# Altium PCB Antenna_base_v5.PcbDoc (part 2 of 2)
Units mil, origin at the board's own origin, x right, y up, seen from the top; angles counter-clockwise.
Board outline 2245 x 3255 mil, 4 copper layers (Top Layer, Layer 1, Layer 2, Bottom Layer), stack 23.756 mil thick; 155 components, 149 nets, 548 pads, 108 vias.
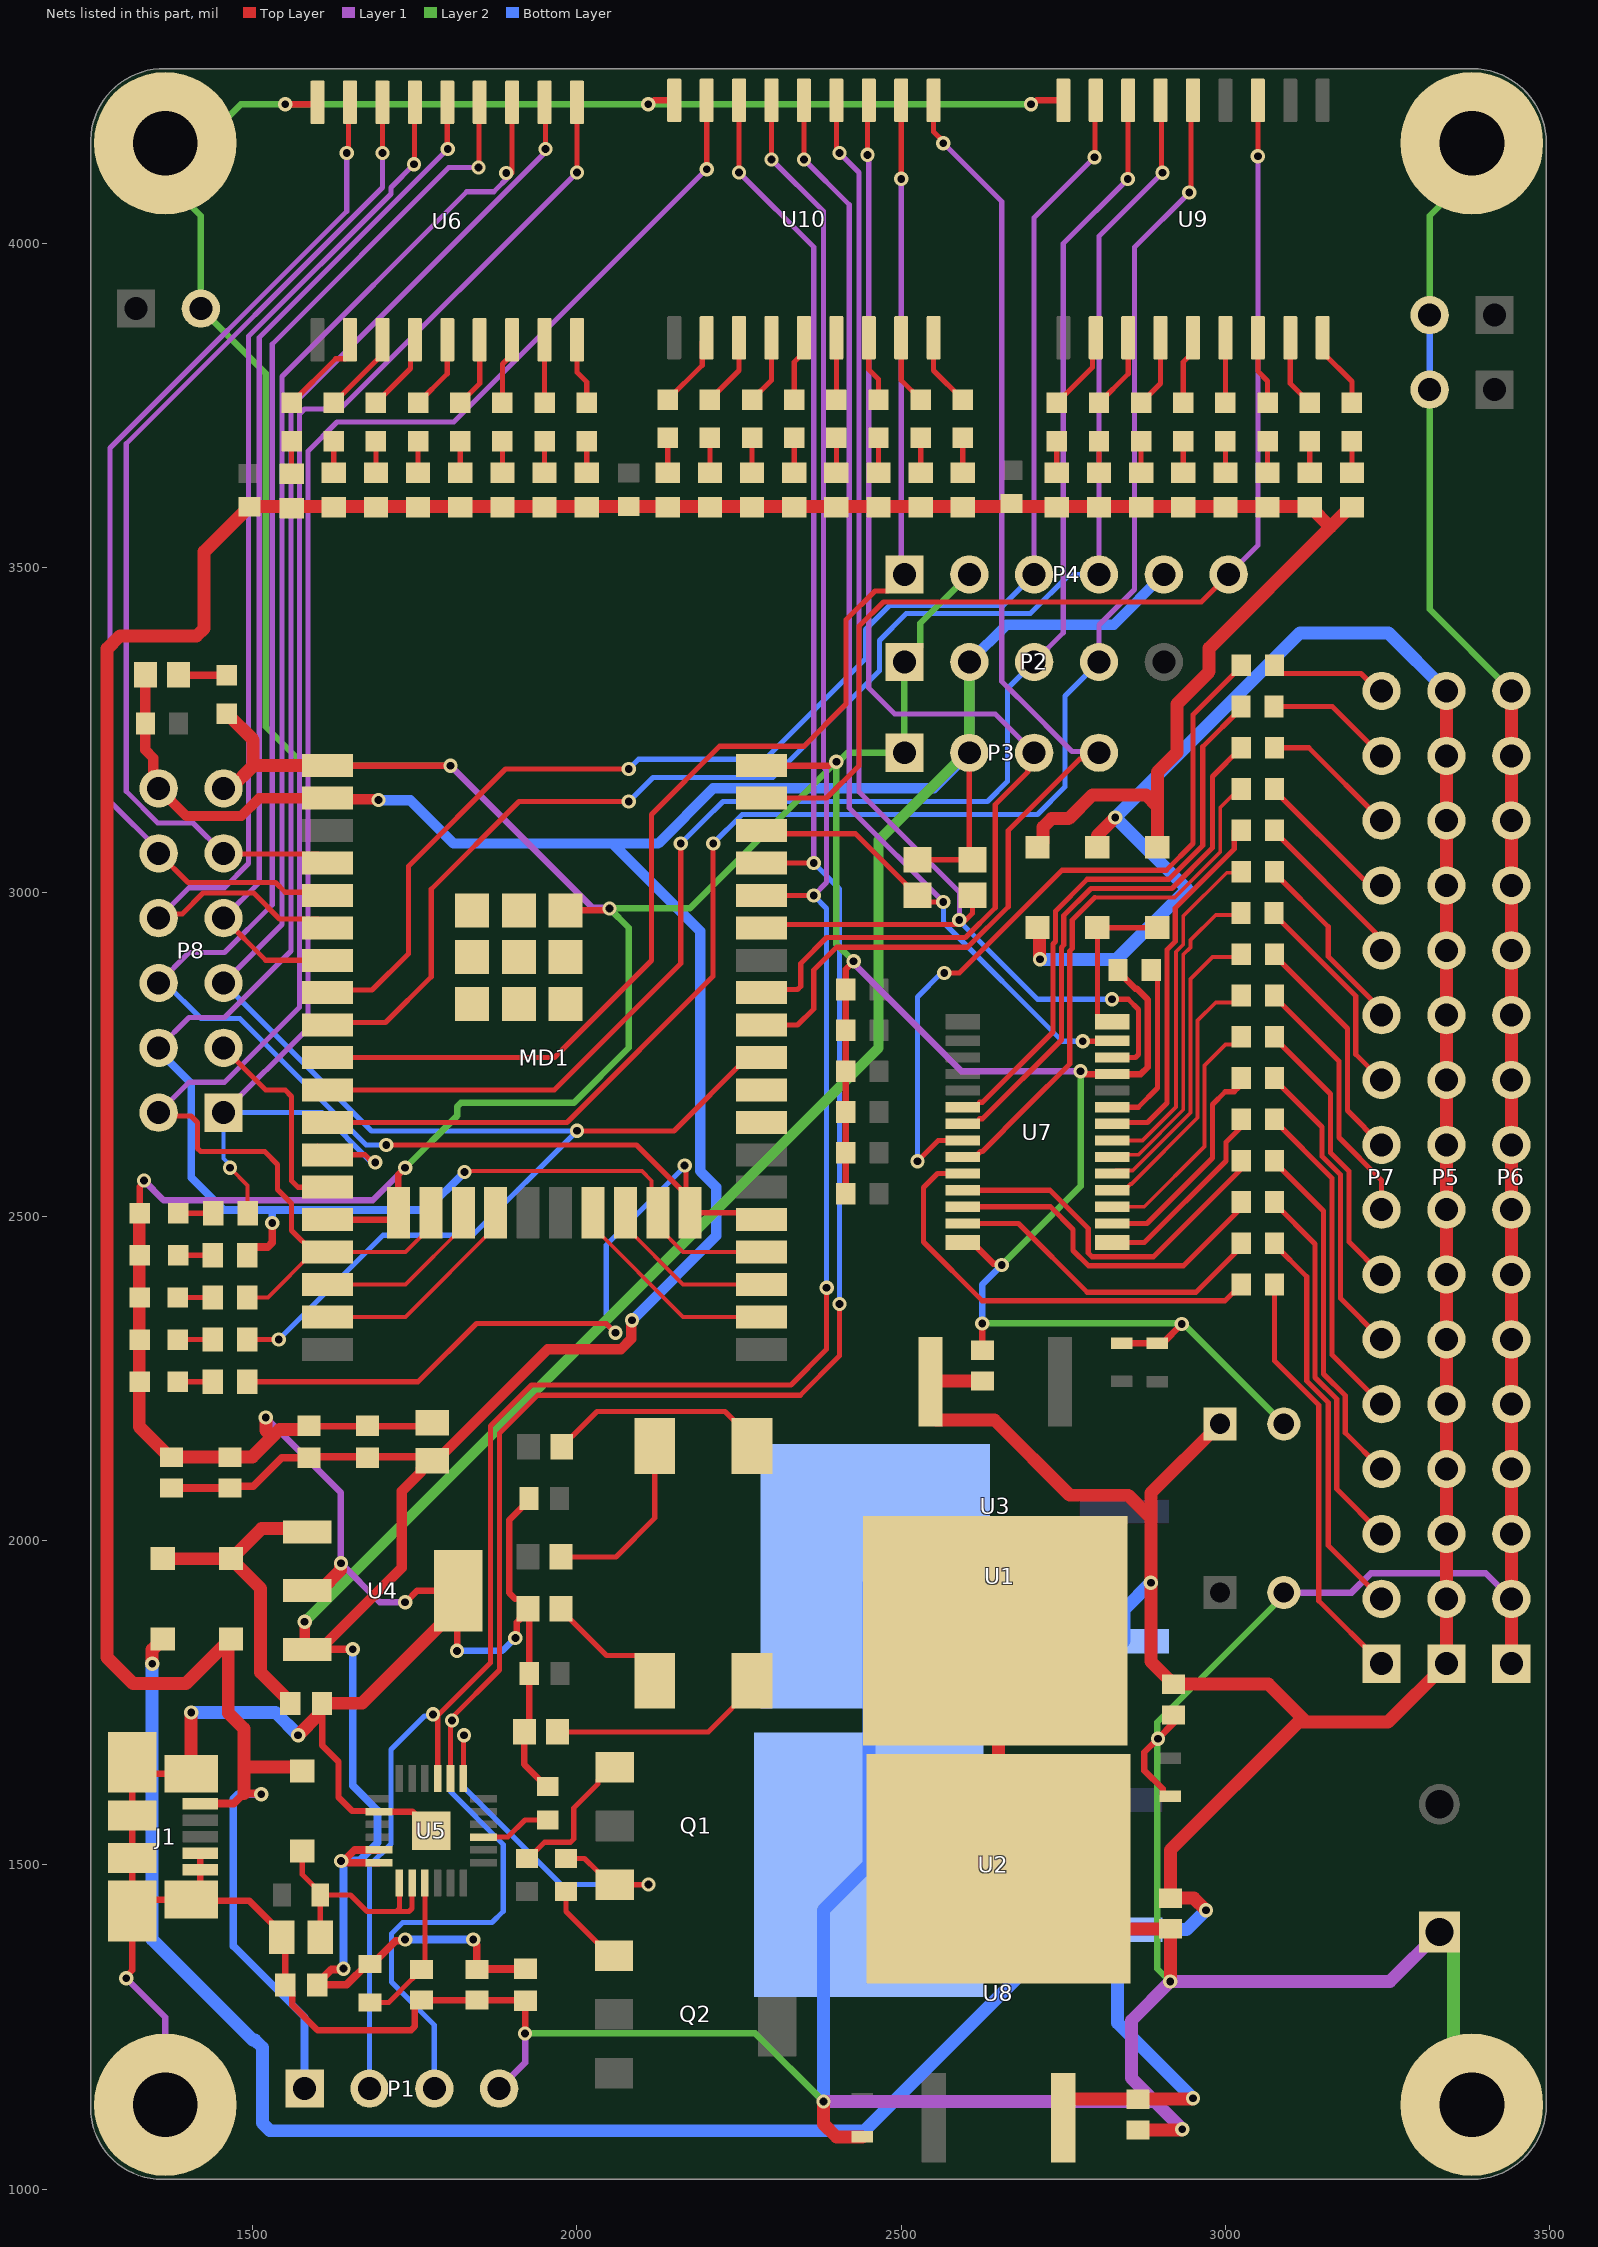
[diagram p4: the nets of this part, all layers, seen from the top]

## Via types
v1: diameter 22, hole 12, Top Layer to Bottom Layer, 108 vias

## Nets (pads, with @x,y where several pads share a name; then routed paths per layer and width w, separated by ;. In a path a pad name is that pad's centre, name@x,y a point inside that pad or via, vN(x,y) a via of type N, cw(c..) or ccw(c..) an arc to the next point about the centre after c; other vN are vias at no path point) (continued)
GND: C1.2 C2.1 C3.2 C4.1 C5.2 C6.1 C7.1 C8.1 C9.2 C10.2 C11.1 C12.2 C13.2 C14.2 C15.2 C18.2 C19.1 C22.1 C23.1 C24.1 C25.2 C26.2 C29.1 D4.1 D8.1 D9.1 D10.1 D11.1 D12.1 J1.4 J1.5 J1.6 J1.7 J1.8 J1.9 J1.10 J1.11 J5.1 MD1.1 MD1.15 MD1.38 MD1.39 P1.4 P2.1 P3.1 P4.2 P6.1 P6.2 P6.3 P6.4 P6.5 P6.6 P6.7 P6.8 P6.9 P6.10 P6.11 P6.12 P6.13 P6.14 P6.15 P6.16 P8.11 P9.2 P10.2 P11.2 pad.C1 pad.C2 pad.C3 pad.C4 R10.1 R11.1 R24.2 R28.1 R29.1 R30.1 R31.1 R32.1 R33.1 R45.2 U1.4 U2.4 U3.4 U4.2 U4.4 U5.2 U5.25 U6.9 U7.14 U7.25 U8.4 U9.9 U10.9 | length 20756.1
  Top Layer w10: v1(1305,1325) 1305,1328.25 1314.37,1337.62 J1.11@1314.37,1428.76 ; D11.1@1325.94,2505 1325.94,2545.95 1332.15,2552.16 v1(1332.15,2555.4) ; J1.6@1404.92,1640.37 1332.09,1640.37 J1.8@1314.37,1658.09 J1.9@1314.37,1576.4 J1.10@1314.37,1510.45 J1.11@1314.37,1428.76 ; J1.4@1419.09,1517.83 J1.5@1419.09,1492.24 1419.09,1460.65 J1.7@1404.92,1446.48 ; v1(1550,4215) 1596.93,4215 U6.9@1600,4218.07 ; C22.1@1586.73,2176.73 1771.42,2176.73 C24.1@1776.73,2182.05 ; MD1.1@1600,3195 MD1.1@1615,3195 v1(1805,3195) ; C8.1@1606.85,1749.21 1606.85,1684.61 1632.24,1659.21 1632.24,1604.21 1653.39,1583.07 1693.66,1583.07 U5.2@1694.57,1582.17 1745.81,1582.17 U5.25@1775.34,1552.64 ; MD1.15@1615,2495 1714.02,2495 MD1.15@1724.65,2505.63 1724.65,2564.65 v1(1735,2575) ; v1(1735,1905) 1735.86,1905 1753.82,1922.95 U4.4@1816.61,1922.95 1815,1921.34 1815,1895.75 v1(1815,1830) ; v1(1905,1850) 1907.3,1852.3 1907.3,1873.95 1911.69,1878.35 1911.69,1880.31 1924.41,1893.03 1926.38,1893.03 C12.2@1926.38,1795 1926.38,1712.56 R11.1@1918.82,1705 1918.82,1654.8 1953.03,1620.59 R45.2@1955,1620.59 ; 1905,1910 1895.69,1919.31 1895.69,2031.83 1925.94,2062.09 C13.2@1925.94,2065.04 ; v1(1920,1240) 1920,1291.06 1919.49,1291.57 C10.2@1845.47,1291.57 C9.2@1760.47,1291.57 1759.76,1291.57 1750,1281.81 1750,1250.86 1744.14,1245 1600,1245 1561.14,1283.86 1561.14,1304.25 C7.1@1550.39,1315 1550.39,1383.07 C29.1@1545.04,1388.43 1545.04,1394.33 1494.37,1445 1406.4,1445 J1.7@1404.92,1446.48 ; MD1.39@1982.52,2971.97 2046.97,2971.97 v1(2050,2975) ; v1(2110,4215) 2113.25,4215 2119.39,4221.14 U10.9@2150,4221.14 ; MD1.38@2284.29,3195 2388.63,3195 ; R33.1@2414.41,2535 R32.1@2414.41,2598 R31.1@2414.41,2661 R30.1@2414.41,2724 R29.1@2414.41,2787 R28.1@2414.41,2850 2414.41,2881.13 v1@2425.07,2891.79 ; U7.14@2594.84,2459.72 2609.61,2459.72 2642.03,2427.3 2652.7,2427.3 v1(2655,2425) ; C5.2@2625,2293.62 v1(2625,2335) ; v1(2700,4215) 2703.25,4215 2709.39,4221.14 U9.9@2750,4221.14 ; v1(2776.55,2723.95) 2779.79,2723.95 2784.18,2719.57 U7.25@2825.16,2719.57 2869.57,2719.57 2880,2730 2880,2834.41 2863.07,2851.34 2861.1,2851.34 2834.41,2878.03 R24.2@2834.41,2880 ; C6.1@2840,2304.53 2840.24,2304.29 2902.68,2304.29 2902.91,2304.06 v1(2932.77,2333.91) ; C4.1@2915,1605.47 2907.13,1605.47 2903.27,1609.33 2903.27,1617.2 2875,1645.47 2875,1673.61 v1(2895.85,1694.45) 2920,1718.61 C1.2@2920,1731.38 ; J1.11@1314.37,1428.76 1332.09,1446.48 J1.7@1404.92,1446.48
  Top Layer w20: D11.1@1325.94,2505 1325,2504.06 1325,2175.67 1372.05,2128.62 C25.2@1375,2128.62 C26.2@1465,2128.62 1465.64,2129.26 1499.26,2129.26 1530,2160 ; J1.6@1404.92,1640.37 1405,1640.45 v1(1405,1735) ; P8.11@1455,3160 1465.57,3160 1500.57,3195 ; D8.1@1460,3275.47 1500.57,3234.9 1500.57,3195 ; v1(1520,2190) 1520.38,2189.62 1520.38,2169.62 1530,2160 ; v1(1570,1700) 1601.1,1731.1 ; U4.2@1584.33,1922.95 1604.02,1922.95 1635.65,1954.58 1635.65,1964.59 v1(1636.03,1964.97) ; C22.1@1586.73,2177.13 1580.98,2171.38 1541.38,2171.38 1530,2160 ; MD1.1@1600,3195 1500.57,3195 ; C8.1@1606.85,1749.21 1668.46,1749.21 U4.4@1815,1895.75 ; v1(2380,1135) 2380,1100.74 2400.27,1080.47 C19.1@2440,1080.47 ; U3.4@2645,1861.14 2650,1856.14 U8.4@2650,1493.86 2742.48,1401.38 C3.2@2915,1401.38 v1(2915,1320) ; C18.2@2865,1091.38 2932.49,1091.38 v1(2933.55,1092.43) ; P6.1@3440.79,1810.35 P6.2@3440.79,1910.35 P6.3@3440.79,2010.35 P6.4@3440.79,2110.35 P6.5@3440.79,2210.35 P6.6@3440.79,2310.35 P6.7@3440.79,2410.35 P6.8@3440.79,2510.35 P6.9@3440.79,2610.35 P6.10@3440.79,2710.35 P6.11@3440.79,2810.35 P6.12@3440.79,2910.35 P6.13@3440.79,3010.35 P6.14@3440.79,3110.35 P6.15@3440.79,3210.35 P6.16@3440.79,3310.35
  Layer 1 w10: v1(1305,1325) 1365,1265 pad.C3@1365,1130 ; v1(1332.15,2555.4) 1362.55,2525 1685,2525 v1(1735,2575) ; v1(1520,2190) 1636.03,2073.97 v1(1636.03,1964.97) 1696,1905 v1(1735,1905) ; v1(1805,3195) 2024,2976 2049,2976 v1(2050,2975) ; P1.4@1880,1155 1920,1195 v1(1920,1240) ; v1@2425.03,2891.83 2592.91,2723.95 v1(2776.55,2723.95) ; C15.2@3090,1920 3194.53,1920 3224.41,1949.88 3401.26,1949.88 P6.2@3440.79,1910.35
  Layer 1 w20: v1(2380,1135) 2890.98,1135 v1@2925.98,1100 ; v1(2933.55,1092.43) v1@2925.98,1100 ; J5.1@3330,1396.57 3253.43,1320 v1(2915,1320) 2855,1260 2855,1170.98 v1@2925.98,1100
  Layer 2 w10: v1(1735,2575) 1815,2655 1815,2669.14 1820.86,2675 1995,2675 2080,2760 2080,2945 v1(2050,2975) 2173.89,2975 v1(2400,3201.11) ; v1(1805,3195) 1580,3195 1520,3255 1520,3800 P9.2@1420,3900 1420,4043.17 1365,4098.17 pad.C1@1365,4155 1421.83,4155 1481.83,4215 v1(1550,4215) v1(2110,4215) v1(2700,4215) ; v1(1920,1240) 2275,1240 v1(2380,1135) ; v1@2425.03,2891.83 2425.11,2891.83 v1(2426.64,2893.36) 2400,2920 v1(2400,3201.11) ; P4.2@2605,3490 2529.53,3414.53 2529.53,3379.53 P2.1@2505,3355 P3.1@2505,3215 2417.14,3215 2403.25,3201.11 v1(2400,3201.11) ; v1(2625,2335) v1@2932.77,2335 ; v1(2655,2425) 2776.55,2546.55 v1(2776.55,2723.95) ; v1(2915,1320) 2895,1340 2895,1720 3090,1915 C15.2@3090,1920 ; v1@2935,2335 C14.2@3090,2180 ; P11.2@3315,3775 3315,3436.14 P6.16@3440.79,3310.35 ; P10.2@3315,3890 3315,4043.22 3380,4108.22 pad.C2@3380,4155
  Layer 2 w20: J5.1@3330,1396.57 3351.5,1375.08 3351.5,1158.5 pad.C4@3380,1130
  Bottom Layer w10: v1(1815,1830) 1885,1830 v1(1905,1850) ; v1(2625,2335) 2625,2395 v1(2655,2425) ; P11.2@3315,3775 P10.2@3315,3890
  Bottom Layer w20: v1(1405,1735) 1535,1735 v1(1570,1700) ; v1(2380,1135) 2380,1430 U2.4@2450,1500 2450,1935 U1.4@2460,1945
I2C_SCL: MD1.11 P2.3 U9.7 | length 2481.7
  Top Layer w8: MD1.11@1615,2695 1965,2695 2160,2890 v1(2160,3075) ; v1(2849.52,4099.62) 2849.76,4099.86 2849.76,4220.9 U9.7@2850,4221.14
  Layer 1 w8: P2.3@2705,3355 2750,3400 2750,4000.1 v1(2849.52,4099.62)
  Bottom Layer w8: v1(2160,3075) 2193.84,3108.84 2225,3140 2632.88,3140 2664.05,3171.18 2664.05,3314.05 P2.3@2705,3355
I2C_SCL2: MD1.33 R23.1 U7.26 U10.4 | length 2159
  Top Layer w8: MD1.33@2284.29,2945 2289.29,2950 v1@2589.6,2950 ; U10.4@2400,4221.14 2400,4148.79 2405,4143.79 v1(2405,4140) ; v1(2589.6,2957) v1@2589.6,2950 ; R23.1@2610,2995 2610,2967.5 2592.5,2950 v1@2589.6,2950 ; v1(2825,2835) 2850,2835 2866,2819 2866,2749.84 2861.31,2745.16 U7.26@2825.16,2745.16
  Layer 1 w8: v1(2405,4140) 2435,4110 2435,3155 2590,3000 2590,2957.4 v1(2589.6,2957)
  Bottom Layer w8: v1(2589.6,2957) 2589.6,2955.4 2710,2835 v1(2825,2835)
I2C_SCL3: MD1.37 P4.6 U9.3 | length 1739.3
  Top Layer w8: MD1.37@2284.29,3145 2385,3145 2435,3195 2435,3410 2472.62,3447.62 2962.62,3447.62 P4.6@3005,3490 ; v1(3050,4135) U9.3@3050,4221.14
  Layer 1 w8: P4.6@3005,3490 3050,3535 v1(3050,4135)
I2C_SCL4: MD1.31 P3.3 U10.3 | length 1884.8
  Top Layer w8: MD1.31@2305.94,2845 2310.94,2850 2340,2850 2345,2855 2345,2890 2385,2930 2599.07,2930 2645,2975.93 2645,3135 2695.23,3185.23 2695.23,3205.23 P3.3@2705,3215 ; v1(2447.99,4137.01) 2447.99,4219.13 U10.3@2450,4221.14
  Layer 1 w8: v1(2447.99,4137.01) 2450,4135 2450,3315 2490,3275 2645,3275 P3.3@2705,3215
  Bottom Layer w8: P3.3@2705,3212.12 P3.3@2705,3215
I2C_SDA: MD1.12 P2.4 U9.5 | length 2612.3
  Top Layer w8: MD1.12@1615,2645 1984.78,2645 2210,2870.22 v1(2210,3075) ; v1(2944.36,4078.88) 2947.04,4081.56 2947.04,4218.18 U9.5@2950,4221.14
  Layer 1 w8: P2.4@2805,3355 2805,3411.91 2860,3466.91 2860,3994.51 v1(2944.36,4078.88)
  Bottom Layer w8: v1(2210,3075) 2255,3120 2710,3120 2752.62,3162.62 2752.62,3302.62 P2.4@2805,3355
I2C_SDA2: MD1.36 R22.1 U7.27 U10.5 | length 2020.5
  Top Layer w8: MD1.36@2284.29,3095 2289.29,3090 2429.64,3090 2507.35,3012.29 2507.35,3010.69 2533.03,2985 v1(2565,2985) ; v1(2350,4130) U10.5@2350,4221.14 ; v1(2780,2770) 2824.41,2770 U7.27@2825.16,2770.75
  Layer 1 w8: v1(2350,4130) 2420,4060 2420,3130 v1(2565,2985)
  Bottom Layer w8: v1(2565,2985) 2565,2953.32 2748.32,2770 v1(2780,2770)
I2C_SDA3: MD1.10 P4.1 U10.2 | length 2139.8
  Top Layer w8: MD1.10@1615,2745 1965.13,2745 2115,2894.87 2115,3120 2220,3225 2350,3225 2415,3290 2415,3420 2459.47,3464.47 2479.47,3464.47 P4.1@2505,3490 ; v1(2500,4100) U10.2@2500,4221.14
  Layer 1 w8: v1(2500,4100) 2500,3495 P4.1@2505,3490
I2C_SDA4: MD1.30 P3.4 U10.1 | length 1912.2
  Top Layer w8: MD1.30@2305.94,2795 2340,2795 2365,2820 2365,2880 2400,2915 2602.45,2915 2665,2977.55 2665,3095 2775.23,3205.23 2795.23,3205.23 P3.4@2805,3215 ; U10.1@2550,4221.14 2550,4172.53 2565,4157.53 v1(2565,4155)
  Layer 1 w8: v1(2565,4155) 2655,4065 2655,3325 2680,3300 2680.59,3300 2763.47,3217.12 2802.88,3217.12 P3.4@2805,3215
IO2: MD1.24 P8.6 R34.1 U6.4 | length 3685.8
  Top Layer w8: R34.1@1491.57,2245 1755,2245 1845,2335 2045,2335 v1(2059.47,2320.53) ; v1(1706,2610) 2091.93,2610 MD1.24@2167.97,2533.96 ; v1(1848.19,4117.37) 1849.09,4118.28 1849.09,4217.17 U6.4@1850,4218.07 ; v1(2166,2578.56) 2167.97,2576.6 MD1.24@2167.97,2533.96 ; MD1.24@2284.29,2495 2273.66,2505.63 MD1.24@2174.65,2505.63 2167.97,2512.31 MD1.24@2167.97,2533.96
  Layer 1 w8: P8.6@1355,2860 1401.91,2906.91 1456.39,2906.91 1530,2980.51 1530,3845 1802.37,4117.37 v1(1848.19,4117.37)
  Bottom Layer w8: P8.6@1355,2860 1365,2860 1420,2805 1480,2805 1675,2610 v1(1706,2610) ; v1(2059.47,2320.53) 2045,2335 2045,2455.6 2166,2576.6 v1(2166,2578.56)
IO5: MD1.29 P8.5 R35.1 U6.3 | length 3188.6
  Top Layer w8: R35.1@1491.57,2310 v1(1540,2310) ; v1(1890.86,4109.14) 1900,4109.14 U6.3@1900,4218.07 ; v1(2000,2631.93) 2149.57,2631.93 2262.64,2745 MD1.29@2284.29,2745
  Layer 1 w8: P8.5@1455,2860 1545,2950 1545,3795 1830,4080 1871.62,4080 1895.81,4104.19 v1(1890.86,4109.14)
  Bottom Layer w8: P8.5@1455,2860 1683.07,2631.93 v1(2000,2631.93) 1839.03,2470.97 1700.97,2470.97 v1(1540,2310)
IO12: MD1.14 P8.3 | length 314.4
  Top Layer w8: P8.3@1455,2760 1520,2695 1550,2695 1560,2685 1560,2555 1570,2545 MD1.14@1604.17,2545
IO13: MD1.16 P8.2 R36.1 U6.1 | length 2637.3
  Top Layer w6: R36.1@1491.57,2375 1523.35,2375 1593.35,2445 MD1.16@1604.17,2445 ; MD1.16@1615,2445 1735.67,2445 1774.65,2483.98 MD1.16@1774.65,2505.63
  Top Layer w8: P8.2@1355,2660 1360,2655 1405,2655 1415,2645 1415,2604.69 1419.69,2600 1518.37,2600 1538.34,2580.03 1538.34,2541.66 1560,2520 1560,2478.35 MD1.16@1593.35,2445 ; MD1.16@1604.17,2445 MD1.16@1615,2445 ; v1(2000,4110) U6.1@2000,4218.07
  Layer 1 w8: P8.2@1355,2660 1401.91,2706.91 1456.39,2706.91 1572,2822.51 1572,3737.31 1579.69,3745 1635,3745 v1(2000,4110)
IO14: MD1.13 P8.1 R37.1 U10.8 | length 2510.9
  Top Layer w6: v1(1465,2575) 1492.05,2547.95 R37.1@1492.05,2505 ; MD1.13@1600.28,2609.72 MD1.13@1615,2595
  Top Layer w8: MD1.13@1615,2595 1673.09,2595 1684.75,2583.34 v1(1689,2583.34) ; v1(2200,4115) U10.8@2200,4221.14
  Layer 1 w8: P8.1@1455,2660 1585,2790 1585,3680 1630,3725 1810,3725 v1(2200,4115)
  Bottom Layer w6: P8.1@1455,2660 1455,2589.33 1465,2579.33 v1(1465,2575)
  Bottom Layer w8: P8.1@1455,2660 1606.62,2660 1683.28,2583.34 v1(1689,2583.34)
IO15: MD1.23 P8.4 R38.1 U6.2 | length 3069.7
  Top Layer w6: v1(1826.64,2568.36) 1828.28,2570 2100,2570 2115,2555 2115,2515.28 MD1.23@2124.65,2505.63 2124.65,2483.98 2163.62,2445 MD1.23@2284.29,2445
  Top Layer w8: U6.2@1950,4218.07 1951.61,4216.46 v1(1951.61,4145.98)
  Top Layer w12: R38.1@1491.57,2440 1491.57,2442.95 1501.32,2452.7 1522.97,2452.7 1530,2459.73 v1(1530,2490)
  Layer 1 w8: P8.4@1355,2760 1401.91,2806.91 1456.39,2806.91 1559,2909.51 1559,3749 1951.61,4141.61 v1(1951.61,4145.98)
  Bottom Layer w12: P8.4@1355,2760 1355,2755 1405,2705 1405,2560 1455,2510 1530,2510 ; v1(1530,2490) 1530,2510 ; v1(1826.64,2568.36) 1768.28,2510 1530,2510
IO16: MD1.27
IO17: MD1.28
IO32: MD1.8 P4.3 U9.8 | length 2233.1
  Top Layer w8: MD1.8@1615,2845 1619,2849 1684,2849 1740,2905 1740,3040 1890,3190 v1(2080,3190) ; v1(2798.14,4133.21) 2799.07,4134.14 2799.07,4220.21 U9.8@2800,4221.14
  Layer 1 w8: P4.3@2705,3490 2705,4040.07 v1(2798.14,4133.21)
  Bottom Layer w8: v1(2080,3190) 2095,3205 2290,3205 2445,3360 2445,3405 2482.62,3442.62 2657.62,3442.62 P4.3@2705,3490
IO33: MD1.9 P4.4 U9.6 | length 2357.2
  Top Layer w8: MD1.9@1615,2795 1619,2799 1704.71,2799 1775.36,2869.64 1775.36,3004.64 1910.71,3140 v1(2080,3140) ; U9.6@2900,4221.14 2901.43,4219.71 2901.43,4110.94 v1(2902.87,4109.5)
  Layer 1 w8: P4.4@2805,3490 2805,4011.63 v1(2902.87,4109.5)
  Bottom Layer w8: v1(2080,3140) 2117,3177 2302,3177 2466.47,3341.47 2466.47,3388.26 2507.83,3429.62 2699.1,3429.62 2759.49,3490 P4.4@2805,3490
IO34: MD1.6 P8.8 U6.6 | length 1755.3
  Top Layer w6: MD1.6@1612.48,2931.97 MD1.6@1615,2934.49
  Top Layer w8: P8.8@1355,2960 1361.36,2966.36 1391.36,2966.36 1423.53,2998.53 1501.47,2998.53 1541.28,2958.72 1601.28,2958.72 MD1.6@1615,2945 ; v1(1748.73,4122.51) 1749.36,4123.15 1749.36,4217.44 U6.6@1750,4218.07
  Layer 1 w8: P8.8@1355,2960 1401.91,3006.91 1456.39,3006.91 1493.53,3044.04 1493.53,3857.41 1713,4076.89 1713,4086.79 v1(1748.73,4122.51)
IO35: MD1.7 P8.7 U6.5 | length 1588.4
  Top Layer w8: P8.7@1455,2960 1520,2895 MD1.7@1615,2895 ; U6.5@1800,4218.07 1800,4146.75 v1(1800.63,4146.13)
  Layer 1 w8: P8.7@1455,2960 1510,3015 1510,3855.5 v1(1800.63,4146.13)
LED0: R2.1 U7.6 | length 881.7
  Top Layer w8: U7.6@2594.84,2668.39 2613.54,2668.39 2621.26,2676.1 2625.56,2676.1 2734,2784.54 2734,2920.13 2737.7,2923.83 2737.7,2970.63 2786.93,3019.86 2913.1,3019.86 2965,3071.76 2965,3224.21 3023.82,3283.03 R2.1@3023.82,3285
LED1: R3.1 U7.7 | length 846.7
  Top Layer w8: U7.7@2594.84,2642.8 2613.54,2642.8 2621.26,2650.51 2625.56,2650.51 2747,2771.95 2747,2914.75 2750.7,2918.45 2750.7,2963.83 2792.72,3005.86 2917.48,3005.86 2980,3068.38 2980,3178.62 3024.41,3223.03 R3.1@3024.41,3225
LED2: R4.1 U7.8 | length 1165.4
  Top Layer w8: v1(2525,2585) 2557.2,2617.2 U7.8@2594.84,2617.2 ; v1(2566.26,2875.29) 2589.46,2875.29 2748.02,3033.86 2908.71,3033.86 2950,3075.15 2950,3273.62 3024.41,3348.03 R4.1@3024.41,3350
  Bottom Layer w8: v1(2525,2585) 2525,2838.59 2561.71,2875.29 v1(2566.26,2875.29)
LED3: R12.1 U7.9 | length 834.2
  Top Layer w6: 2798.52,2991.86 2921.86,2991.86 2992,3062 2992,3130.62 R12.1@3024.41,3163.03
  Top Layer w8: U7.9@2594.84,2591.61 2613.54,2591.61 2622.26,2600.33 2625.15,2600.33 2692.57,2667.76 2760,2735.19 2760,2909.36 2763.7,2913.06 2763.7,2957.04 2798.52,2991.86
LED4: R13.1 U7.10 | length 692.1
  Top Layer w8: U7.10@2594.84,2566.02 2556.02,2566.02 2534.55,2544.55 2534.55,2460.45 2625,2370 2999.41,2370 3011.68,2382.27 3013.65,2382.27 3024.41,2393.03 R13.1@3024.41,2395
LED5: R14.1 U7.11 | length 552
  Top Layer w8: U7.11@2594.84,2540.43 2729.57,2540.43 2788.58,2481.42 2788.58,2443.77 2794.44,2437.91 2889.29,2437.91 3024.41,2573.03 R14.1@3024.41,2575
LED6: R15.1 U7.12 | length 525.1
  Top Layer w8: U7.12@2594.84,2514.84 2730.16,2514.84 2765,2480 2765,2447.55 2788.64,2423.91 2935.29,2423.91 3024.41,2513.03 R15.1@3024.41,2515
LED7: R16.1 U7.13 | length 485.9
  Top Layer w8: U7.13@2613.54,2489.25 2680.75,2489.25 2787,2383 2954.38,2383 3024.41,2453.03 R16.1@3024.41,2455
LED8: R17.1 U7.15 | length 291.8
  Top Layer w8: U7.15@2825.16,2459.72 2874.72,2459.72 3000.65,2585.65 3000.65,2614.27 3024.41,2638.03 R17.1@3024.41,2640
LED9: R18.1 U7.16 | length 328.6
  Top Layer w8: U7.16@2825.16,2489.25 2879.25,2489.25 2980,2590 2980,2672.58 2999.69,2692.27 3013.65,2692.27 R18.1@3019.03,2697.65
LED10: R19.1 U7.17 | length 378.2
  Top Layer w6: U7.17@2825.16,2514.84 2874.84,2514.84 2968,2608 2968,2733 3000,2765 3019.41,2765 R19.1@3024.41,2770
LED11: R20.1 U7.18 | length 407
  Top Layer w6: U7.18@2825.16,2540.43 2843.86,2540.43 2853.57,2550.15 2855.05,2550.15 2957,2652.1 2957,2802 2985,2830 R20.1@3024.41,2830
LED12: R21.1 U7.19 | length 475.1
  Top Layer w6: U7.19@2825.16,2566.02 2830.03,2570.9 2857.01,2570.9 2946,2659.89 2946,2866 2980,2900 R21.1@3022.44,2900
  Top Layer w8: U7.19@2825.16,2566.02 U7.19@2843.86,2566.02
LED13: R25.1 U7.20 | length 500.1
  Top Layer w6: U7.20@2825.16,2591.61 2828.54,2595 2865.56,2595 2935,2664.44 2935,2903.6 2946,2914.6 2946,2926 2985,2965 R25.1@3023.82,2965
LED14: R26.1 U7.21 | length 536
  Top Layer w6: U7.21@2825.16,2617.2 2872.2,2617.2 2924,2669 2924,2908.16 2935,2919.16 2935,2963.03 3001.97,3030 R26.1@3024.41,3030
LED15: R27.1 U7.22 | length 552.1
  Top Layer w8: U7.22@2847.73,2645 2880,2645 2910,2675 2910,2911.13 2922.7,2923.83 2922.7,2975.66 3013.65,3066.6 3013.65,3094.24 R27.1@3024.41,3105
NetC8_2: C8.2 D1.1 D2.1 U4.1 | length 493.7
  Top Layer w20: D1.1@1361.3,1972.09 D2.1@1466.3,1972.09 D2.1@1467.28,1972.09 ; C8.2@1557.64,1749.21 1557.64,1751.18 1512.24,1796.57 1512.24,1926.14 1475,1963.39 1475,1964.37 D2.1@1467.28,1972.09 ; U4.1@1575.47,2018.62 1513.82,2018.62 D2.1@1467.28,1972.09
NetC9_1: C9.1 R44.1 U5.9 | length 237.9
  Top Layer w8: R44.1@1680.47,1287.95 1709.61,1287.95 1746.76,1325.1 1746.76,1328.06 1757.52,1338.82 C9.1@1760.47,1338.82 1765.5,1343.84 U5.9@1765.5,1471.87
NetD4_2: D4.2 R34.2 | length 53.9
  Top Layer w8: D4.2@1384.53,2245 R34.2@1438.43,2245
NetD5_1: D5.1 D6.1 U7.28 | length 255.5
  Top Layer w8: U7.28@2825.16,2800.28 2810.39,2800.28 2802.58,2808.09 2802.58,2869.78 2802.5,2869.86 D6.1@2802.5,2945.28 D5.1@2895,2945.28
NetD8_2: D8.2 R43.2 | length 84.6
  Top Layer w12: R43.2@1385.59,3335 1386.06,3334.53 D8.2@1470,3334.53
NetD9_2: D9.2 R35.2 | length 53.9
  Top Layer w8: D9.2@1384.53,2310 R35.2@1438.43,2310
NetD10_2: D10.2 R36.2 | length 53.9
  Top Layer w8: D10.2@1384.53,2375 R36.2@1438.43,2375
NetD11_2: D11.2 R37.2 | length 53.9
  Top Layer w8: D11.2@1385,2505 R37.2@1438.9,2505
NetD12_2: D12.2 R38.2 | length 53.4
  Top Layer w8: D12.2@1385,2440 R38.2@1438.43,2440
NetD13_1: D13.1 U6.18 | length 103.6
  Top Layer w8: U6.18@2000,3851.93 2000,3801.87 2015,3786.87 D13.1@2015,3754.53
NetD13_2: D13.2 R39.2 | length 48.9
  Top Layer w8: R39.2@2015,3646.57 D13.2@2015,3695.47
NetD14_1: D14.1 U9.18 | length 119.1
  Top Layer w8: U9.18@3150,3855 3150,3832.36 3195,3787.36 D14.1@3195,3754.53
NetD14_2: D14.2 R40.2 | length 48.9
  Top Layer w8: R40.2@3195,3646.57 D14.2@3195,3695.47
NetD15_1: D15.1 U6.17 | length 97.4
  Top Layer w8: D15.1@1950,3754.53 U6.17@1950,3851.93
NetD15_2: D15.2 R41.2 | length 48.9
  Top Layer w8: R41.2@1950,3646.57 D15.2@1950,3695.47
NetD16_1: D16.1 U9.17 | length 112.9
  Top Layer w8: U9.17@3100,3855 3100,3784.53 D16.1@3130,3754.53
NetD16_2: D16.2 R42.2 | length 48.9
  Top Layer w8: R42.2@3130,3646.57 D16.2@3130,3695.47
NetD17_1: D17.1 U6.16 | length 103.6
  Top Layer w8: D17.1@1885,3754.53 1885,3814.29 1900,3829.29 U6.16@1900,3851.93
NetD17_2: D17.2 R46.2 | length 48.9
  Top Layer w8: R46.2@1885,3646.57 D17.2@1885,3695.47
NetD18_1: D18.1 U9.16 | length 106.7
  Top Layer w8: U9.16@3050,3855 3050,3803.41 3065,3788.41 D18.1@3065,3754.53
NetD18_2: D18.2 R47.2 | length 48.9
  Top Layer w8: R47.2@3065,3646.57 D18.2@3065,3695.47
NetD19_1: D19.1 U6.15 | length 109.8
  Top Layer w8: D19.1@1820,3754.53 1850,3784.53 U6.15@1850,3851.93
NetD19_2: D19.2 R50.2 | length 48.9
  Top Layer w8: R50.2@1820,3646.57 D19.2@1820,3695.47
NetD20_1: D20.1 U9.15 | length 100.5
  Top Layer w8: D20.1@3000,3754.53 U9.15@3000,3855
NetD20_2: D20.2 R51.2 | length 48.9
  Top Layer w8: R51.2@3000,3646.57 D20.2@3000,3695.47
NetD21_1: D21.1 U6.14 | length 116
  Top Layer w8: D21.1@1755,3754.53 1800,3799.53 U6.14@1800,3851.93
NetD21_2: D21.2 R52.2 | length 48.9
  Top Layer w8: R52.2@1755,3646.57 D21.2@1755,3695.47
NetD22_1: D22.1 U9.14 | length 106.7
  Top Layer w8: D22.1@2935,3754.53 2935,3817.36 2950,3832.36 U9.14@2950,3855
NetD22_2: D22.2 R53.2 | length 48.9
  Top Layer w8: R53.2@2935,3646.57 D22.2@2935,3695.47
NetD23_1: D23.1 U6.13 | length 122.3
  Top Layer w8: D23.1@1690,3754.53 1743.17,3807.7 1743.17,3845.1 U6.13@1750,3851.93
NetD23_2: D23.2 R54.2 | length 48.9
  Top Layer w8: R54.2@1690,3646.57 D23.2@1690,3695.47
NetD24_1: D24.1 U9.13 | length 112.9
  Top Layer w8: D24.1@2870,3754.53 2900,3784.53 U9.13@2900,3855
NetD24_2: D24.2 R55.2 | length 48.9
  Top Layer w8: R55.2@2870,3646.57 D24.2@2870,3695.47
NetD25_1: D25.1 U6.12 | length 128.6
  Top Layer w8: D25.1@1625,3754.53 1692.94,3822.46 1693.17,3822.46 1700,3829.29 U6.12@1700,3851.93
NetD25_2: D25.2 R56.2 | length 48.9
  Top Layer w8: R56.2@1625,3646.57 D25.2@1625,3695.47
NetD26_1: D26.1 U9.12 | length 119.1
  Top Layer w8: D26.1@2805,3754.53 2850,3799.53 U9.12@2850,3855
NetD26_2: D26.2 R57.2 | length 48.9
  Top Layer w8: R57.2@2805,3646.57 D26.2@2805,3695.47
NetD27_1: D27.1 U6.11 | length 143.6
  Top Layer w8: D27.1@1560,3754.53 1627.94,3822.46 1643.17,3822.46 1650,3829.29 U6.11@1650,3851.93
NetD27_2: D27.2 R58.2 | length 50.5
  Top Layer w8: R58.2@1560,3645 D27.2@1560,3695.47
NetD28_1: D28.1 U9.11 | length 125.3
  Top Layer w8: D28.1@2740,3754.53 2795.01,3809.54 2795.01,3850.01 U9.11@2800,3855
NetD28_2: D28.2 R59.2 | length 48.9
  Top Layer w8: R59.2@2740,3646.57 D28.2@2740,3695.47
NetD29_1: D29.1 U10.18 | length 114.1
  Top Layer w8: U10.18@2550,3855 2550,3804.53 D29.1@2595,3759.53
NetD29_2: D29.2 R60.2 | length 53.9
  Top Layer w8: R60.2@2595,3646.57 D29.2@2595,3700.47
NetD30_1: D30.1 U10.17 | length 107.9
  Top Layer w8: U10.17@2500,3855 2500,3789.53 D30.1@2530,3759.53
NetD30_2: D30.2 R61.2 | length 53.9
  Top Layer w8: R61.2@2530,3646.57 D30.2@2530,3700.47
NetD31_1: D31.1 U10.16 | length 101.7
  Top Layer w8: U10.16@2450,3855 2450,3805.91 2465,3790.91 D31.1@2465,3759.53
NetD31_2: D31.2 R62.2 | length 53.9
  Top Layer w8: R62.2@2465,3646.57 D31.2@2465,3700.47
NetD32_1: D32.1 U10.15 | length 95.5
  Top Layer w8: D32.1@2400,3759.53 U10.15@2400,3855
NetD32_2: D32.2 R64.2 | length 53.9
  Top Layer w8: R64.2@2400,3646.57 D32.2@2400,3700.47
NetD33_1: D33.1 U10.14 | length 101.7
  Top Layer w8: D33.1@2335,3759.53 2335,3817.36 2350,3832.36 U10.14@2350,3855
NetD33_2: D33.2 R65.2 | length 53.9
  Top Layer w8: R65.2@2335,3646.57 D33.2@2335,3700.47
NetD34_1: D34.1 U10.13 | length 107.9
  Top Layer w8: D34.1@2270,3759.53 2300,3789.53 U10.13@2300,3855
NetD34_2: D34.2 R66.2 | length 53.9
  Top Layer w8: R66.2@2270,3646.57 D34.2@2270,3700.47
NetD35_1: D35.1 U10.12 | length 114.1
  Top Layer w8: D35.1@2205,3759.53 2250,3804.53 U10.12@2250,3855
NetD35_2: D35.2 R67.2 | length 53.9
  Top Layer w8: R67.2@2205,3646.57 D35.2@2205,3700.47
NetD36_1: D36.1 U10.11 | length 120.3
  Top Layer w8: D36.1@2140,3759.53 2193.17,3812.7 2193.17,3848.17 U10.11@2200,3855
NetD36_2: D36.2 R68.2 | length 53.9
  Top Layer w8: R68.2@2140,3646.57 D36.2@2140,3700.47
NetP7_1: P7.1 R13.2 | length 653.1
  Top Layer w8: R13.2@3075.59,2395 3075.59,2277.54 3143.8,2209.33 3143.8,1907.34 P7.1@3240.79,1810.35
NetP7_2: P7.2 R16.2 | length 616.7
  Top Layer w8: R16.2@3075.59,2458.67 3075.59,2456.7 3125.35,2406.94 3125.35,2246.16 3158.69,2212.83 3158.69,1992.46 P7.2@3240.79,1910.35
NetP7_3: P7.3 R15.2 | length 580.4
  Top Layer w8: R15.2@3075.59,2522.33 3075.59,2520.36 3138.35,2457.6 3138.35,2251.55 3171.69,2218.21 3171.69,2079.46 P7.3@3240.79,2010.35
NetP7_4: P7.4 R14.2 | length 544.1
  Top Layer w8: R14.2@3075.59,2586 3075.59,2584.03 3151.35,2508.27 3151.35,2256.93 3184.69,2223.6 3184.69,2166.46 P7.4@3240.79,2110.35
NetP7_5: P7.5 R17.2 | length 507.7
  Top Layer w8: R17.2@3075.59,2649.67 3075.59,2647.7 3164.35,2558.94 3164.35,2286.79 P7.5@3240.79,2210.35
NetP7_6: P7.6 R18.2 | length 471.4
  Top Layer w8: R18.2@3075.59,2713.33 3075.59,2711.36 3149.03,2637.93 3149.03,2592.65 3177.35,2564.32 3177.35,2373.79 P7.6@3240.79,2310.35
NetP7_7: P7.7 R19.2 | length 435.1
  Top Layer w8: R19.2@3075.59,2777 3075.59,2775.03 3162.03,2688.59 3162.03,2598.03 3190.35,2569.71 3190.35,2460.79 P7.7@3240.79,2410.35
NetP7_8: P7.8 R20.2 | length 398.7
  Top Layer w8: R20.2@3075.59,2840.67 3075.59,2838.7 3175.03,2739.26 3175.03,2621.63 3240.79,2555.87 P7.8@3240.79,2510.35
NetP7_9: P7.9 R21.2 | length 362.4
  Top Layer w8: R21.2@3075.59,2904.33 3075.59,2902.36 3188.03,2789.93 3188.03,2663.11 P7.9@3240.79,2610.35
NetP7_10: P7.10 R25.2 | length 326.3
  Top Layer w8: R25.2@3075,2968 3075,2966.03 3201.03,2840 3201.03,2750.11 P7.10@3240.79,2710.35
NetP7_11: P7.11 R26.2 | length 289.7
  Top Layer w8: R26.2@3075.59,3031.67 3075.59,3029.7 3158.69,2946.6 3158.69,2900.73 3240.79,2818.63 P7.11@3240.79,2810.35
NetP7_12: P7.12 R27.2 | length 253.4
  Top Layer w8: R27.2@3075.59,3095.33 3075.59,3093.36 3231.02,2937.94 3231.02,2920.12 P7.12@3240.79,2910.35
NetP7_13: P7.13 R12.2 | length 227.9
  Top Layer w8: R12.2@3075.59,3159 3075.59,3157.03 3212.5,3020.12 3231.02,3020.12 P7.13@3240.79,3010.35
NetP7_14: P7.14 R3.2 | length 211.7
  Top Layer w8: R3.2@3075.59,3222.67 3128.48,3222.67 P7.14@3240.79,3110.35
NetP7_15: P7.15 R2.2 | length 197.3
  Top Layer w8: R2.2@3075,3286.33 3164.81,3286.33 P7.15@3240.79,3210.35
NetP7_16: P7.16 R4.2 | length 182.8
  Top Layer w8: R4.2@3075.59,3350 3075.59,3348.03 3086.35,3337.27 3208.97,3337.27 3235.88,3310.35 P7.16@3240.79,3310.35
NetQ1_1: Q1.1 R6.2 | length 224.5
  Top Layer w8: R6.2@1923.03,1510.04 1925,1510.04 1949.96,1535 1990,1535 1995,1540 1995,1587.52 2032.5,1625.02 2032.5,1630.93 2052.13,1650.55 Q1.1@2058.03,1650.55
NetQ2_1: Q2.1 R7.2 | length 133
  Top Layer w8: R7.2@1983.03,1458.86 1983.03,1428.11 2051.14,1360 Q2.1@2057.05,1360
NetR8_1: R8.1 SW1.1 | length 280.2
  Top Layer w8: R8.1@1975.59,1975 2060,1975 2120,2035 SW1.1@2120,2145.91
NetR9_1: R9.1 SW2.1 | length 346.1
  Top Layer w8: R9.1@1976.54,2145.04 1976.54,2147.01 1990.25,2160.72 1992.22,2160.72 2030.71,2199.21 2228.5,2199.21 2270,2157.72 SW2.1@2270,2145.91
NetR10_2: R10.2 SW1.2 | length 198.2
  Top Layer w8: R10.2@1975.59,1895 1975.59,1893.03 2045.61,1823.01 2092.5,1823.01 2120,1795.51 SW1.2@2120,1784.09
NetR11_2: R11.2 SW2.2 | length 346.5
  Top Layer w8: R11.2@1970,1705 2202.32,1705 2275,1777.68 SW2.2@2275,1789.09
NetR24_1: R24.1 U7.23 | length 268.1
  Top Layer w8: U7.23@2825.16,2668.39 2865.5,2668.39 2895,2697.89 2895,2870.59 R24.1@2885.59,2880
NetR45_1: R45.1 U5.15 | length 109.9
  Top Layer w8: U5.15@1856.11,1542.8 1893.3,1542.8 1919.91,1569.41 R45.1@1955,1569.41
PWM_VDD: C1.1 C3.1 C5.1 C14.1 C18.1 D1.2 D6.2 D7.1 P5.1 P5.2 P5.3 P5.4 P5.5 P5.6 P5.7 P5.8 P5.9 P5.10 P5.11 P5.12 P5.13 P5.14 P5.15 P5.16 U1.3 U2.3 U3.3 U8.3 | length 7680.3
  Top Layer w20: v1(1345,1810) 1345,1831.77 D1.2@1361.3,1848.07 ; C5.1@2625,2246.38 2546.38,2246.38 U3.3@2545,2245 2545,2194.8 2553.7,2186.1 2643.8,2186.1 2759.9,2070 2850,2070 2885,2035 ; D7.1@2710,2945.28 2713.62,2941.66 2713.62,2896.89 v1(2714,2896.51) ; U8.3@2750,1110 2750,1129.92 2758.7,1138.62 C18.1@2865,1138.62 2948.08,1138.62 2949.46,1140 v1(2950,1140) ; D6.2@2802.5,3069.29 2802.5,3087.51 v1(2830.22,3115.22) ; v1(2970,1430) 2951.38,1448.62 C3.1@2915,1448.62 2915,1522.85 3112.15,1720 3125,1720 ; C14.1@2991.57,2180 2885,2073.43 2885,2035 ; P5.16@3340.79,3310.35 P5.15@3340.79,3210.35 P5.14@3340.79,3110.35 P5.13@3340.79,3010.35 P5.12@3340.79,2910.35 P5.11@3340.79,2810.35 P5.10@3340.79,2710.35 P5.9@3340.79,2610.35 P5.8@3340.79,2510.35 P5.7@3340.79,2410.35 P5.6@3340.79,2310.35 P5.5@3340.79,2210.35 P5.4@3340.79,2110.35 P5.3@3340.79,2010.35 P5.2@3340.79,1910.35 P5.1@3340.79,1810.35 3250.43,1720 3125,1720 ; 2885,2035 v1(2885,1935) 2885,1813.62 2912.28,1786.34 2912.28,1783.39 2917.05,1778.62 C1.1@2920,1778.62 3066.38,1778.62 3125,1720
  Bottom Layer w20: v1(1345,1810) 1345,1385 1500,1230 1503.28,1230 1515,1218.28 1515,1101.72 1526.72,1090 2443.53,1090 2730,1376.47 2730,1383.28 2738.01,1391.3 2825.16,1391.3 U2.3@2833.86,1400 ; v1(2714,2896.51) 2832.29,2896.51 2940.61,3004.83 v1(2830.22,3115.22) 3114.99,3400 3251.14,3400 P5.16@3340.79,3310.35 ; U1.3@2843.86,1845 2843.86,1893.86 v1(2885,1935) ; v1(2950,1140) 2833.86,1256.14 2833.86,1391.3 U2.3@2833.86,1400 ; v1(2970,1430) 2940,1400 U2.3@2833.86,1400
RTS: Q1.3 R7.1 U5.19 | length 639.4
  Top Layer w8: U5.19@1824.55,1633.41 1825.21,1634.07 1825.21,1699.34 v1(1825.87,1700) ; R7.1@1983.03,1510.04 2011.76,1510.04 2032.5,1489.3 2032.5,1489.07 2052.13,1469.45 Q1.3@2058.03,1469.45 2109.99,1469.45 v1(2110.31,1469.78)
  Bottom Layer w8: v1(1825.87,1700) 1825,1699.13 1825,1620 1975.22,1469.78 v1(2110.31,1469.78)
RXD0: MD1.34 P1.2 U5.21 U10.6 | length 3824.8
  Top Layer w8: v1(1777.91,1732.08) 1779.81,1730.18 v1@1785.18,1730.18 ; U5.21@1785.18,1633.41 v1@1785.18,1730.18 ; MD1.34@2284.29,2995 v1(2365,2995) ; v1(2300,4130) U10.6@2300,4221.14 ; v1(2385,2390) 2385,2295 2330,2240 1930,2240 1866.69,2176.69 1866.69,1811.69 v1@1785.18,1730.18
  Layer 1 w8: v1(2300,4130) 2380,4050 2380,3192.82 2385,3187.82 2385,3015 v1(2365,2995)
  Bottom Layer w8: P1.2@1680,1165 1680,1499.34 1713.04,1532.38 1713.04,1677.73 1764.7,1729.4 1775.23,1729.4 v1(1777.91,1732.08) ; v1(2365,2995) 2385,2975 v1(2385,2390)
SD0: MD1.21 | length 338.9
  Top Layer w6: MD1.21@2024.65,2505.63 2024.65,2483.98 2163.62,2345 MD1.21@2284.29,2345
SD1: MD1.22 | length 268.2
  Top Layer w6: MD1.22@2074.65,2505.63 2074.65,2483.98 2163.62,2395 MD1.22@2284.29,2395
SD2: MD1.17 | length 268.2
  Top Layer w6: MD1.17@1615,2395 1735.67,2395 1824.65,2483.98 MD1.17@1824.65,2505.63
SD3: MD1.18 | length 338.9
  Top Layer w6: MD1.18@1615,2345 1735.67,2345 1874.65,2483.98 MD1.18@1874.65,2505.63
SENSOR_VN: MD1.5 P8.10 U6.8 | length 1629.3
  Top Layer w8: P8.10@1355,3060 1400,3015 1535,3015 1550,3000 1610,3000 MD1.5@1615,2995 ; v1(1645,4140) 1647.5,4142.5 1647.5,4215.57 U6.8@1650,4218.07
  Layer 1 w8: P8.10@1355,3060 1355,3065 1280,3140 1280,3685 1645,4050 v1(1645,4140)
SENSOR_VP: MD1.4 P8.9 U6.7 | length 1592.6
  Top Layer w6: MD1.4@1610,3040 MD1.4@1615,3045 ; MD1.4@1612.48,3031.97 MD1.4@1615,3034.49
  Top Layer w8: P8.9@1455,3060 1456.28,3058.72 1601.28,3058.72 MD1.4@1615,3045 ; v1(1700,4140) U6.7@1700,4218.07
  Layer 1 w8: P8.9@1455,3060 1408.09,3106.91 1353.61,3106.91 1305,3155.51 1305,3691.62 1700,4086.62 v1(1700,4140)
TXD0: MD1.35 P1.3 U5.20 U10.7 | length 3983.8
  Top Layer w8: U5.20@1804.87,1633.41 v1@1804.87,1720.17 ; v1@1806.18,1726.18 1880.69,1800.69 1880.69,2165.69 1939.33,2224.33 2344.33,2224.33 2405,2285 v1(2405,2365) ; v1(2250,4110) U10.7@2250,4221.14 ; MD1.35@2284.29,3045 v1(2365,3045)
  Layer 1 w8: v1(2250,4110) 2365,3995 v1(2365,3045)
  Bottom Layer w8: P1.3@1780,1165 1780,1253.26 1714,1319.26 1714,1393.7 1731.35,1411.05 1869.05,1411.05 1886.41,1428.41 1886.41,1531.52 1804.87,1613.07 1804.87,1720.17 v1(1807.35,1722.65) ; v1(2365,3045) 2405,3005 v1(2405,2365)
USB5V: C29.2 D3.1 R5.1 U5.7 U5.8 | length 383.2
  Top Layer w8: D3.1@1576.3,1521.06 1576.3,1485.16 1604.09,1457.36 R5.1@1604.09,1453.43 ; C29.2@1604.09,1388.43 R5.1@1604.09,1453.43 ; U5.7@1726.13,1471.87 1726.13,1432.9 1721.3,1428.07 ; U5.8@1745.81,1471.87 1745.81,1432.76 1741.12,1428.07 1721.3,1428.07 ; R5.1@1604.09,1453.43 1650.94,1453.43 1676.3,1428.07 1721.3,1428.07
USB5V4: D2.2 D3.2 D5.2 D7.2 J1.1 P1.1 R39.1 R40.1 R41.1 R42.1 R46.1 R47.1 R48.1 R49.1 R50.1 R51.1 R52.1 R53.1 R54.1 R55.1 R56.1 R57.1 R58.1 R59.1 R60.1 R61.1 R62.1 R63.1 R64.1 R65.1 R66.1 R67.1 R68.1 | length 5724.9
  Top Layer w8: D5.2@2881.28,3083.01 D5.2@2895,3069.29
  Top Layer w12: J1.1@1419.09,1594.61 1470.83,1594.61 1486.3,1610.08 1511.63,1610.08 v1(1512.96,1608.75)
  Top Layer w20: 1486.3,1610.08 1486.3,1651.06 ; R48.1@1495,3594.41 1560,3594.41 1625,3594.41 1690,3594.41 1755,3594.41 1820,3594.41 1885,3594.41 1950,3594.41 2015,3594.41 2080,3594.41 2140,3594.41 2205,3594.41 2270,3594.41 2335,3594.41 2400,3594.41 2465,3594.41 2530,3594.41 2595,3594.41 2670,3594.41 2740,3594.41 2805,3594.41 2870,3594.41 2935,3594.41 3000,3594.41 3065,3594.41 3130.59,3594.41 3161.81,3563.19 ; R48.1@1498.39,3598.39 1497.01,3598.39 1488.27,3589.65 1488.27,3588.27 1425,3525 1425,3406.72 1413.28,3395 1295,3395 1275.47,3375.47 1275.47,1819.53 1315,1780 1397.24,1780 1461.26,1844.02 1462.24,1844.02 1462.24,1734.26 1486.3,1710.2 1486.3,1651.06 ; D3.2@1576.3,1645.08 1570.32,1651.06 1486.3,1651.06 ; D7.2@2710,3069.29 2710.98,3069.29 2718.7,3077.01 2718.7,3100.27 2731.72,3113.28 2758.28,3113.28 2795,3150 2877.45,3150 2895,3132.45 ; D5.2@2895,3069.29 2895,3132.45 ; R40.1@3195,3593.43 3192.05,3593.43 3161.81,3563.19 ; 2895,3132.45 2895,3185 2925,3215 2925,3290 2975,3340 2975,3376.38 3161.81,3563.19
  Bottom Layer w12: v1(1512.96,1608.75) 1477.03,1608.75 1470,1601.72 1470,1375 1580,1265 P1.1@1580,1165
VCC: C7.2 C10.1 C11.2 C22.2 C23.2 C24.2 C25.1 C26.1 MD1.2 P2.2 P3.2 P4.5 P8.12 R1.1 R22.2 R23.2 R43.1 R44.2 U4.3 U5.5 U5.6 | length 7473.5
  Top Layer w8: U4.3@1580,1836.73 U4.3@1584.33,1832.4 ; R22.2@2525,3050.12 R23.2@2610,3050.12 2605,3055.12 P3.2@2605,3215
  Top Layer w12: C25.1@1375,2081.38 C26.1@1465,2081.38 1467.5,2083.88 1500.72,2083.88 1544.75,2127.91 C22.2@1586.73,2127.91 ; U4.3@1584.33,1832.4 1604.02,1832.4 v1(1654.06,1832.4) ; C22.2@1586.73,2129.49 1770.24,2129.49 C24.2@1776.73,2122.99 ; MD1.2@1610,3145 MD1.2@1615,3145 ; v1(1640,1340) 1638.85,1338.85 1621.49,1338.85 1599.61,1316.97 C7.2@1599.61,1315 1644.53,1315 1676.54,1347.01 R44.2@1680.47,1347.01 1684.41,1347.01 1720.49,1383.09 1733.09,1383.09 v1(1735,1385) ; U5.6@1694.57,1503.43 1641.64,1503.43 1639.01,1506.06 v1(1636.3,1506.06) 1638.21,1507.98 1642.07,1507.98 1657.2,1523.11 U5.5@1694.57,1523.11 ; v1@1845.47,1376.82 C10.1@1845.47,1338.82 1845.96,1339.31 C11.2@1919.98,1339.31
  Top Layer w16: R43.1@1334.41,3335 R1.1@1334.41,3260 1334.41,3219.27 1346.76,3206.92 1346.76,3168.24 P8.12@1355,3160 1397.53,3117.47 1482.64,3117.47 1510.17,3145 MD1.2@1610,3145 ; U4.3@1580,1836.73 v1(1580,1875) ; U4.3@1604.02,1832.4 1730,1958.39 1730,2076.26 1759.14,2105.4 1759.14,2111.31 1770.83,2122.99 C24.2@1776.73,2122.99 1782.64,2122.99 1954.65,2295 2067.88,2295 2083.85,2310.97 2083.85,2338.85 v1(2085,2340) ; MD1.2@1615,3145 1616.83,3143.17 1692.77,3143.17 v1(1693.92,3142.02)
  Layer 2 w16: v1(1580,1875) 2465,2760 2465,3080 2600,3215 P3.2@2605,3215 P2.2@2605,3355
  Bottom Layer w12: v1(1636.3,1506.06) 1637.5,1507.27 1665.3,1507.27 1692.24,1534.21 1692.24,1584.21 1654.06,1622.4 v1(1654.06,1832.4) ; v1(1640,1340) 1640,1495.29 ; v1(1735,1385) v1(1840,1385)
  Bottom Layer w16: v1(1693.92,3142.02) 1742.98,3142.02 1810,3075 2055,3075 ; v1(2085,2340) 2215,2470 2215,2545 2190,2570 2190,2940 2055,3075 ; P4.5@2905,3490 2827.62,3412.62 2662.62,3412.62 P2.2@2605,3355 P3.2@2605,3215 2550,3160 2210,3160 2125,3075 2055,3075
pads on no net: MD1.32 U5.1 U5.10 U5.11 U5.12 U5.13 U5.14 U5.16 U5.17 U5.18 U5.22 U5.24 U9.1 U9.2

## Polygon pours and split planes (outlines as drawn)
GND on Top Layer "NONET_L02_P-001" (solid, pour order 1): 1250,4265 1250,1015 3495,1015 3495,4270
no net on Top Layer "NONET_L01_P000" (solid, pour order 0): 1350,3645
GND on Bottom Layer "NONET_L02_P-001" (solid, pour order 3): 1245,4275 1245,1025 1240,1020 3530,1020 3530,4215 3530,4275

## Other copper
Top Layer:
  pour cut-out: 1721.3,1498.6 1721.3,1606.68 1829.38,1606.68 1829.38,1498.6
  pour cut-out: 1721.3,1498.6 1721.3,1606.68 1829.38,1606.68 1829.38,1498.6

## Silkscreen, mask and mechanical layers (free items; w line width, h text height)
Top Overlay:
  text "RXD2" at 2655,3545 h25
  text "TXD2" at 2760,3545 h25
  text "SDA3" at 2435,3540 h30
  text "G" at 2590,3540 h30
  text "VCC" at 2860,3540 h30
  text "SCL3" at 2955,3540 h30
  text "G" at 2490,3405 h25
  text "VCC" at 2570,3405 h25
  text "SCL" at 2675,3405 h25
  text "SDA" at 2770,3405 h25
  text "RET" at 2870,3405 h25
  text "PWM" at 3165,3370 h40
  text "G" at 3425,3370 h40
  text "+6V" at 3285,3365 h40
  text "2" at 3145,3295 h30
  text "G" at 2485,3270 h25
  text "VCC" at 2565,3270 h25
  text "SCL4" at 2660,3270 h25
  text "SDA4" at 2765,3270 h25
  text "0" at 3145,3190 h30
  text "1" at 3142.5,3090 h30
  text "3" at 3140,2990 h30
  text "15" at 3132.51,2890 h30
  text "14" at 3132.51,2790 h30
  text "13" at 3127.51,2690 h30
  text "12" at 3127.51,2590 h30
  text "11" at 3142.51,2490 h30
  text "10" at 3127.51,2395 h30
  text "9" at 3132.51,2290 h30
  text "8" at 3155,2225 h30
  text "5" at 3155,2090 h30
  text "6" at 3150,1990 h30
  text "7" at 3165,1855 h30
  text "4" at 3142.51,1775 h30
  text "+" at 3105,1575 h40
  text "-" at 3110,1335 h40
  text "5V" at 1545,1050 h30
  text "RXD" at 1625,1050 h30
  text "TXD" at 1745,1050 h30
  text "G" at 1870,1050 h30
Bottom Overlay:
  drawing of 11 lines, arcs and shapes, not listed
  text "GND VCC" at 1693.92,3142.02 h26
  text "SENP SENN" at 1780,3030 h30
  text "P35 P34" at 1720,2935 h30
  text "P5 P2" at 1670,2840 h30
  text "P12 P15" at 1720,2740 h30
  text "P14 P13" at 1720,2635 h30
  text "Red Balloon Security" at 2195,2500 h40
  text "nyan-sat.com" at 2045,2180 h60
  text "IMU /   I2C_SCL IO26 /   I2C_SDA IO27 /   BNO_RESET IO4 / PWM /   I2C_SCL2 IO21 /   I2C_SDA2 IO22 / GPS /   I2C_SCL3 IO23 /   I2C_SDA3 IO25 /   RXD2 IO32 /   TXD2 IO33 / OLED /   I2C_SCL4 IO19 /   I2C_SDA4 IO18" at 2000,1315 h30
Mechanical 1:
  the board outline again, w10

## Text inside footprints (layer, text, board x,y; h text height)
C14: Top Overlay "+" at 2855.76,2150.47 h59.06
C15: Top Overlay "+" at 2855.76,1890.47 h59.06
J1: Mechanical 6 "PCB EDGE" at 1253.07,1826.89 h11.81 r270